# EAGLE board Mk4 Final a Panel score 2x5 (EAGLE 9.0.1), part 26 of 29 (continued)
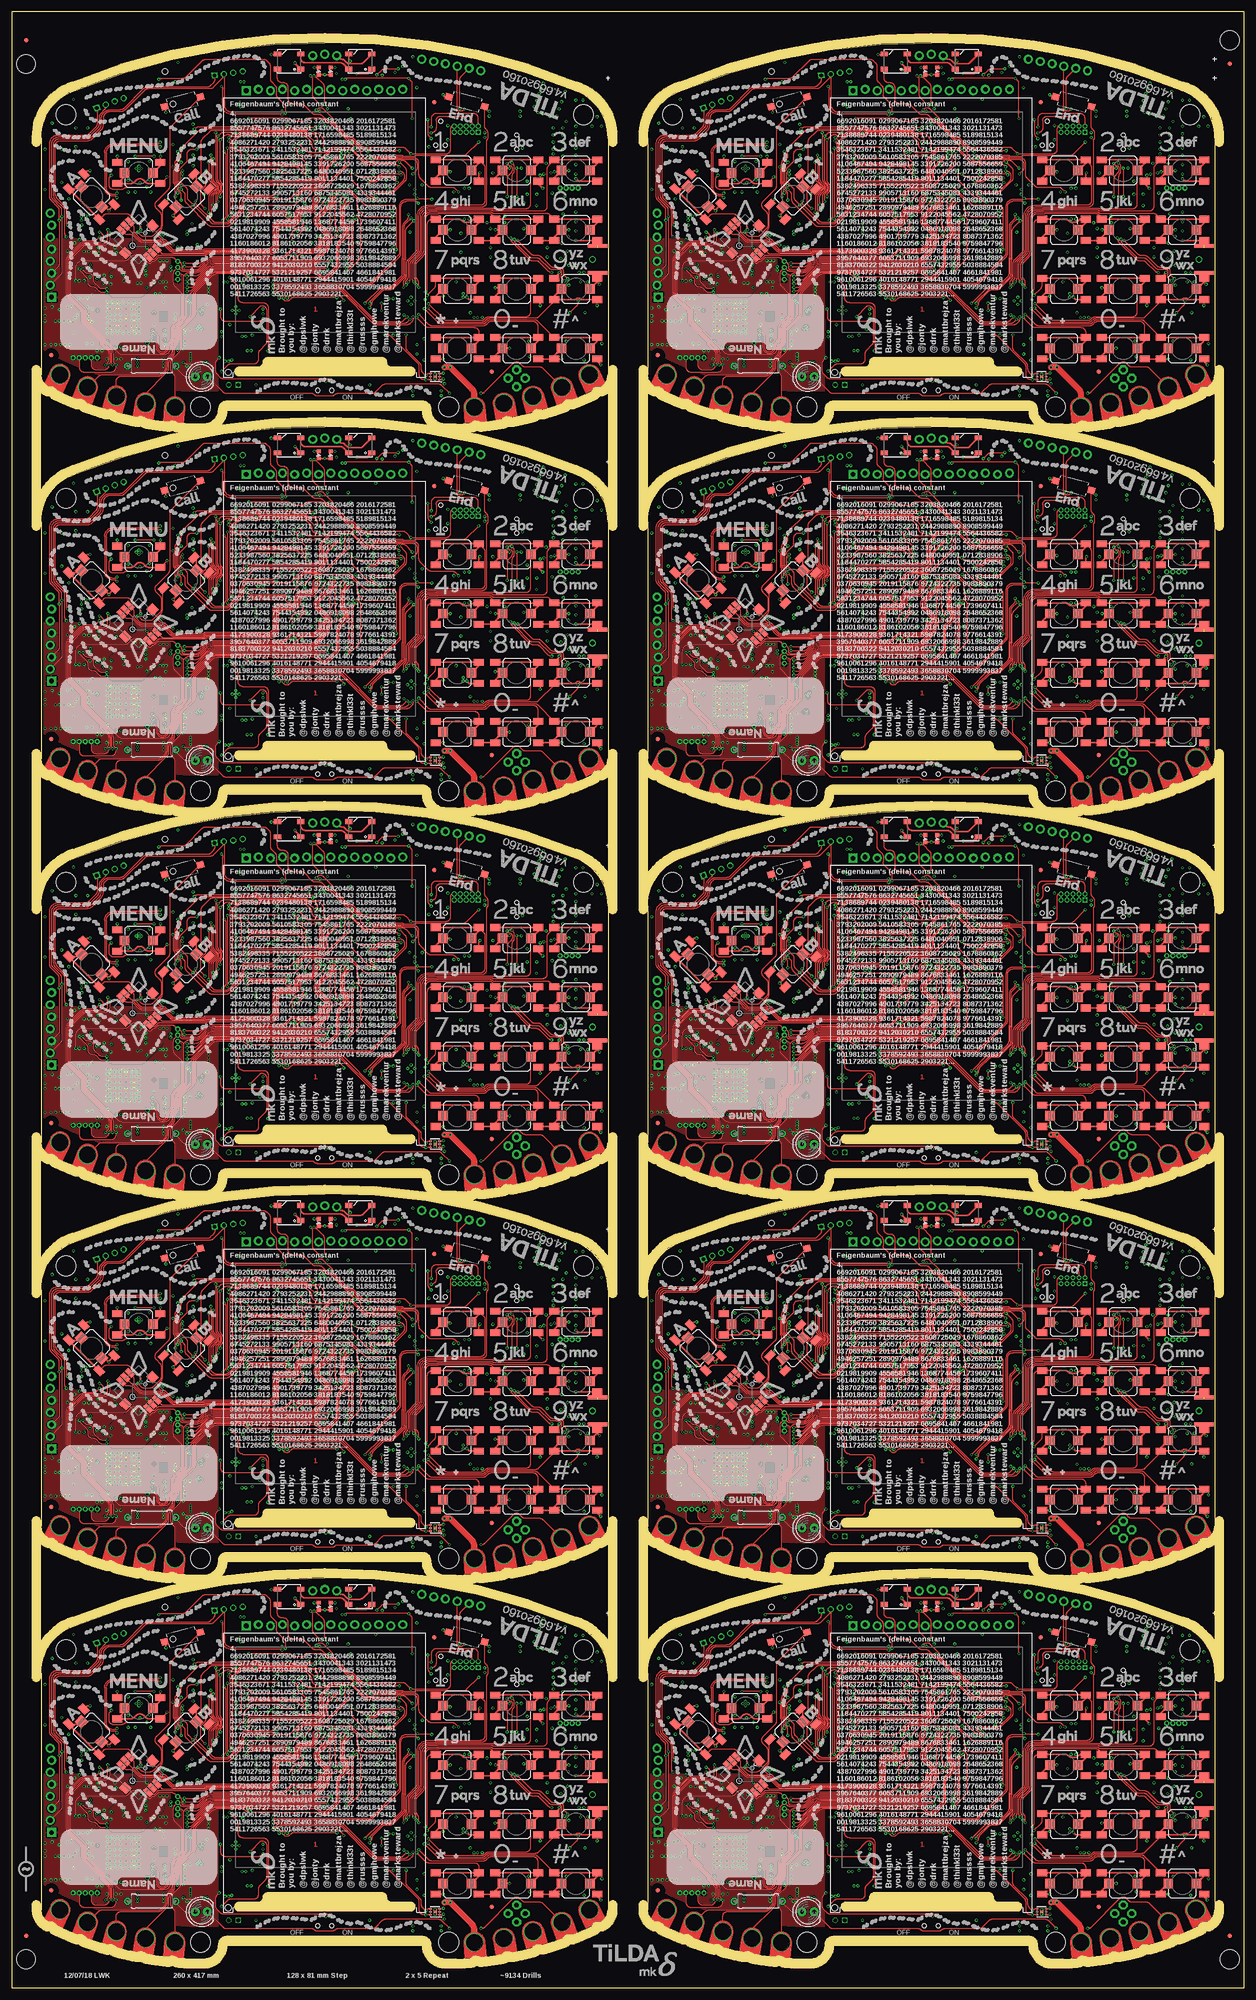
[diagram p0: board, top side]
## Tracks (layer width: path | path; a pad name or v marks a point on that pad's centre or on a via) (continued)
UART0_CON_TX7  (via drill 0.3)
  Top 0.15: v187.8,296.8 arc-45 187.94,297.14 189.23,298.43 arc-45 190.12,298.8 192.56,298.8 arc45 194.33,299.53 198.11,303.31 arc45 198.4,304.01 v198.4,306.5 | v222.5,315.5 222.5,321.67 arc-45 222.79,322.38 JP72.5
  Bottom 0.15: v198.4,306.5 202.01,310.11 arc-45 202.71,310.4 211.04,310.4 arc45 211.74,310.69 215.86,314.81 arc-45 216.56,315.1 221.99,315.1 arc45 222.35,315.25 222.5,315.4 v222.5,315.5 | IC128.34 186.99,296.2 arc45 187.35,296.35 v187.8,296.8
UART0_CON_TX8  (via drill 0.3)
  Top 0.15: v59.8,377.8 arc-45 59.94,378.14 61.23,379.43 arc-45 62.12,379.8 64.56,379.8 arc45 66.33,380.53 70.11,384.31 arc45 70.4,385.01 v70.4,387.5 | v94.5,396.5 94.5,402.67 arc-45 94.79,403.38 JP81.5
  Bottom 0.15: v70.4,387.5 74.01,391.11 arc-45 74.71,391.4 83.04,391.4 arc45 83.74,391.69 87.86,395.81 arc-45 88.56,396.1 93.99,396.1 arc45 94.35,396.25 94.5,396.4 v94.5,396.5 | IC146.34 58.99,377.2 arc45 59.35,377.35 v59.8,377.8
UART0_CON_TX9  (via drill 0.3)
  Top 0.15: v187.8,377.8 arc-45 187.94,378.14 189.23,379.43 arc-45 190.12,379.8 192.56,379.8 arc45 194.33,380.53 198.11,384.31 arc45 198.4,385.01 v198.4,387.5 | v222.5,396.5 222.5,402.67 arc-45 222.79,403.38 JP90.5
  Bottom 0.15: v198.4,387.5 202.01,391.11 arc-45 202.71,391.4 211.04,391.4 arc45 211.74,391.69 215.86,395.81 arc-45 216.56,396.1 221.99,396.1 arc45 222.35,396.25 222.5,396.4 v222.5,396.5 | IC164.34 186.99,377.2 arc45 187.35,377.35 v187.8,377.8
UART1_SIM_RX  (via drill 0.3)
  Top 0.15: v75.1,57.4 76.34,57.4 arc45 77.04,57.69 77.38,58.03 arc-45 78.27,58.4 80.66,58.4 arc-45 80.9,58.3 v81.25,57.95
  Bottom 0.15: R36.1 TP9.TP 91.09,41.91 arc-45 90.8,42.61 90.8,45.34 arc45 90.51,46.05 81.52,55.04 arc-45 81.22,55.75 81.22,56.01 arc45 81.08,56.36 80.92,56.52 arc-45 80.78,56.87 80.78,57.01 arc-45 80.92,57.36 81.07,57.51 arc45 v81.25,57.95 | IC1.118 74.5,56.8 v75.1,57.4
UART1_SIM_RX1  (via drill 0.3)
  Top 0.15: v203.1,57.4 204.34,57.4 arc45 205.04,57.69 205.38,58.03 arc-45 206.27,58.4 208.66,58.4 arc-45 208.9,58.3 v209.25,57.95
  Bottom 0.15: R119.1 TP28.TP 219.09,41.91 arc-45 218.8,42.61 218.8,45.34 arc45 218.51,46.05 209.52,55.04 arc-45 209.22,55.75 209.22,56.01 arc45 209.08,56.36 208.92,56.52 arc-45 208.78,56.87 208.78,57.01 arc-45 208.92,57.36 209.07,57.51 arc45 v209.25,57.95 | IC20.118 202.5,56.8 v203.1,57.4
UART1_SIM_RX2  (via drill 0.3)
  Top 0.15: v75.1,138.4 76.34,138.4 arc45 77.04,138.69 77.38,139.03 arc-45 78.27,139.4 80.66,139.4 arc-45 80.9,139.3 v81.25,138.95
  Bottom 0.15: R197.1 TP47.TP 91.09,122.91 arc-45 90.8,123.61 90.8,126.34 arc45 90.51,127.05 81.52,136.04 arc-45 81.22,136.75 81.22,137.01 arc45 81.08,137.36 80.92,137.52 arc-45 80.78,137.87 80.78,138.01 arc-45 80.92,138.36 81.07,138.51 arc45 v81.25,138.95 | IC38.118 74.5,137.8 v75.1,138.4
UART1_SIM_RX3  (via drill 0.3)
  Top 0.15: v203.1,138.4 204.34,138.4 arc45 205.04,138.69 205.38,139.03 arc-45 206.27,139.4 208.66,139.4 arc-45 208.9,139.3 v209.25,138.95
  Bottom 0.15: R275.1 TP66.TP 219.09,122.91 arc-45 218.8,123.61 218.8,126.34 arc45 218.51,127.05 209.52,136.04 arc-45 209.22,136.75 209.22,137.01 arc45 209.08,137.36 208.92,137.52 arc-45 208.78,137.87 208.78,138.01 arc-45 208.92,138.36 209.07,138.51 arc45 v209.25,138.95 | IC56.118 202.5,137.8 v203.1,138.4
UART1_SIM_RX4  (via drill 0.3)
  Top 0.15: v75.1,219.4 76.34,219.4 arc45 77.04,219.69 77.38,220.03 arc-45 78.27,220.4 80.66,220.4 arc-45 80.9,220.3 v81.25,219.95
  Bottom 0.15: R353.1 TP85.TP 91.09,203.91 arc-45 90.8,204.61 90.8,207.34 arc45 90.51,208.05 81.52,217.04 arc-45 81.22,217.75 81.22,218.01 arc45 81.08,218.36 80.92,218.52 arc-45 80.78,218.87 80.78,219.01 arc-45 80.92,219.36 81.07,219.51 arc45 v81.25,219.95 | IC74.118 74.5,218.8 v75.1,219.4
UART1_SIM_RX5  (via drill 0.3)
  Top 0.15: v203.1,219.4 204.34,219.4 arc45 205.04,219.69 205.38,220.03 arc-45 206.27,220.4 208.66,220.4 arc-45 208.9,220.3 v209.25,219.95
  Bottom 0.15: R431.1 TP104.TP 219.09,203.91 arc-45 218.8,204.61 218.8,207.34 arc45 218.51,208.05 209.52,217.04 arc-45 209.22,217.75 209.22,218.01 arc45 209.08,218.36 208.92,218.52 arc-45 208.78,218.87 208.78,219.01 arc-45 208.92,219.36 209.07,219.51 arc45 v209.25,219.95 | IC92.118 202.5,218.8 v203.1,219.4
UART1_SIM_RX6  (via drill 0.3)
  Top 0.15: v75.1,300.4 76.34,300.4 arc45 77.04,300.69 77.38,301.03 arc-45 78.27,301.4 80.66,301.4 arc-45 80.9,301.3 v81.25,300.95
  Bottom 0.15: R509.1 TP123.TP 91.09,284.91 arc-45 90.8,285.61 90.8,288.34 arc45 90.51,289.05 81.52,298.04 arc-45 81.22,298.75 81.22,299.01 arc45 81.08,299.36 80.92,299.52 arc-45 80.78,299.87 80.78,300.01 arc-45 80.92,300.36 81.07,300.51 arc45 v81.25,300.95 | IC110.118 74.5,299.8 v75.1,300.4
UART1_SIM_RX7  (via drill 0.3)
  Top 0.15: v203.1,300.4 204.34,300.4 arc45 205.04,300.69 205.38,301.03 arc-45 206.27,301.4 208.66,301.4 arc-45 208.9,301.3 v209.25,300.95
  Bottom 0.15: R587.1 TP142.TP 219.09,284.91 arc-45 218.8,285.61 218.8,288.34 arc45 218.51,289.05 209.52,298.04 arc-45 209.22,298.75 209.22,299.01 arc45 209.08,299.36 208.92,299.52 arc-45 208.78,299.87 208.78,300.01 arc-45 208.92,300.36 209.07,300.51 arc45 v209.25,300.95 | IC128.118 202.5,299.8 v203.1,300.4
UART1_SIM_RX8  (via drill 0.3)
  Top 0.15: v75.1,381.4 76.34,381.4 arc45 77.04,381.69 77.38,382.03 arc-45 78.27,382.4 80.66,382.4 arc-45 80.9,382.3 v81.25,381.95
  Bottom 0.15: R665.1 TP161.TP 91.09,365.91 arc-45 90.8,366.61 90.8,369.34 arc45 90.51,370.05 81.52,379.04 arc-45 81.22,379.75 81.22,380.01 arc45 81.08,380.36 80.92,380.52 arc-45 80.78,380.87 80.78,381.01 arc-45 80.92,381.36 81.07,381.51 arc45 v81.25,381.95 | IC146.118 74.5,380.8 v75.1,381.4
UART1_SIM_RX9  (via drill 0.3)
  Top 0.15: v203.1,381.4 204.34,381.4 arc45 205.04,381.69 205.38,382.03 arc-45 206.27,382.4 208.66,382.4 arc-45 208.9,382.3 v209.25,381.95
  Bottom 0.15: R743.1 TP180.TP 219.09,365.91 arc-45 218.8,366.61 218.8,369.34 arc45 218.51,370.05 209.52,379.04 arc-45 209.22,379.75 209.22,380.01 arc45 209.08,380.36 208.92,380.52 arc-45 208.78,380.87 208.78,381.01 arc-45 208.92,381.36 209.07,381.51 arc45 v209.25,381.95 | IC164.118 202.5,380.8 v203.1,381.4
UART1_SIM_TX  (via drill 0.3)
  Top 0.15: v75.1,56.6 75.6,57.1 76.54,57.1 arc45 77.24,57.39 77.66,57.81 arc-45 78.36,58.1 79.79,58.1 arc-45 80.49,57.81 v81.3,57
  Bottom 0.15: R37.1 TP8.TP 91.39,43.61 arc-45 91.1,44.31 91.1,45.47 arc45 90.81,46.17 81.82,55.16 arc-45 81.53,55.87 81.53,56.56 arc45 81.38,56.91 81.3,56.99 v81.3,57 | IC1.119 74.9,56.4 v75.1,56.6
UART1_SIM_TX1  (via drill 0.3)
  Top 0.15: v203.1,56.6 203.6,57.1 204.54,57.1 arc45 205.24,57.39 205.66,57.81 arc-45 206.36,58.1 207.79,58.1 arc-45 208.49,57.81 v209.3,57
  Bottom 0.15: R120.1 TP27.TP 219.39,43.61 arc-45 219.1,44.31 219.1,45.47 arc45 218.81,46.17 209.82,55.16 arc-45 209.53,55.87 209.53,56.56 arc45 209.38,56.91 209.3,56.99 v209.3,57 | IC20.119 202.9,56.4 v203.1,56.6
UART1_SIM_TX2  (via drill 0.3)
  Top 0.15: v75.1,137.6 75.6,138.1 76.54,138.1 arc45 77.24,138.39 77.66,138.81 arc-45 78.36,139.1 79.79,139.1 arc-45 80.49,138.81 v81.3,138
  Bottom 0.15: R198.1 TP46.TP 91.39,124.61 arc-45 91.1,125.31 91.1,126.47 arc45 90.81,127.17 81.82,136.16 arc-45 81.53,136.87 81.53,137.56 arc45 81.38,137.91 v81.3,137.99 v81.3,138 | IC38.119 74.9,137.4 v75.1,137.6
UART1_SIM_TX3  (via drill 0.3)
  Top 0.15: v203.1,137.6 203.6,138.1 204.54,138.1 arc45 205.24,138.39 205.66,138.81 arc-45 206.36,139.1 207.79,139.1 arc-45 208.49,138.81 v209.3,138
  Bottom 0.15: R276.1 TP65.TP 219.39,124.61 arc-45 219.1,125.31 219.1,126.47 arc45 218.81,127.17 209.82,136.16 arc-45 209.53,136.87 209.53,137.56 arc45 209.38,137.91 v209.3,137.99 v209.3,138 | IC56.119 202.9,137.4 v203.1,137.6
UART1_SIM_TX4  (via drill 0.3)
  Top 0.15: v75.1,218.6 75.6,219.1 76.54,219.1 arc45 77.24,219.39 77.66,219.81 arc-45 78.36,220.1 79.79,220.1 arc-45 80.49,219.81 v81.3,219
  Bottom 0.15: R354.1 TP84.TP 91.39,205.61 arc-45 91.1,206.31 91.1,207.47 arc45 90.81,208.18 81.82,217.16 arc-45 81.53,217.87 81.53,218.56 arc45 81.38,218.91 v81.3,218.99 v81.3,219 | IC74.119 74.9,218.4 v75.1,218.6
UART1_SIM_TX5  (via drill 0.3)
  Top 0.15: v203.1,218.6 203.6,219.1 204.54,219.1 arc45 205.24,219.39 205.66,219.81 arc-45 206.36,220.1 207.79,220.1 arc-45 208.49,219.81 v209.3,219
  Bottom 0.15: R432.1 TP103.TP 219.39,205.61 arc-45 219.1,206.31 219.1,207.47 arc45 218.81,208.18 209.82,217.16 arc-45 209.53,217.87 209.53,218.56 arc45 209.38,218.91 v209.3,218.99 v209.3,219 | IC92.119 202.9,218.4 v203.1,218.6
UART1_SIM_TX6  (via drill 0.3)
  Top 0.15: v75.1,299.6 75.6,300.1 76.54,300.1 arc45 77.24,300.39 77.66,300.81 arc-45 78.36,301.1 79.79,301.1 arc-45 80.49,300.81 v81.3,300
  Bottom 0.15: R510.1 TP122.TP 91.39,286.61 arc-45 91.1,287.31 91.1,288.47 arc45 90.81,289.18 81.82,298.17 arc-45 81.53,298.87 81.53,299.56 arc45 81.38,299.91 81.3,299.99 v81.3,300 | IC110.119 74.9,299.4 v75.1,299.6
UART1_SIM_TX7  (via drill 0.3)
  Top 0.15: v203.1,299.6 203.6,300.1 204.54,300.1 arc45 205.24,300.39 205.66,300.81 arc-45 206.36,301.1 207.79,301.1 arc-45 208.49,300.81 v209.3,300
  Bottom 0.15: R588.1 TP141.TP 219.39,286.61 arc-45 219.1,287.31 219.1,288.47 arc45 218.81,289.18 209.82,298.17 arc-45 209.53,298.87 209.53,299.56 arc45 209.38,299.91 209.3,299.99 v209.3,300 | IC128.119 202.9,299.4 v203.1,299.6
UART1_SIM_TX8  (via drill 0.3)
  Top 0.15: v75.1,380.6 75.6,381.1 76.54,381.1 arc45 77.24,381.39 77.66,381.81 arc-45 78.36,382.1 79.79,382.1 arc-45 80.49,381.81 v81.3,381
  Bottom 0.15: R666.1 TP160.TP 91.39,367.61 arc-45 91.1,368.31 91.1,369.47 arc45 90.81,370.18 81.82,379.17 arc-45 81.53,379.87 81.53,380.56 arc45 81.38,380.91 81.3,380.99 v81.3,381 | IC146.119 74.9,380.4 v75.1,380.6
UART1_SIM_TX9  (via drill 0.3)
  Top 0.15: v203.1,380.6 203.6,381.1 204.54,381.1 arc45 205.24,381.39 205.66,381.81 arc-45 206.36,382.1 207.79,382.1 arc-45 208.49,381.81 v209.3,381
  Bottom 0.15: R744.1 TP179.TP 219.39,367.61 arc-45 219.1,368.31 219.1,369.47 arc45 218.81,370.18 209.82,379.17 arc-45 209.53,379.87 209.53,380.56 arc45 209.38,380.91 209.3,380.99 v209.3,381 | IC164.119 202.9,380.4 v203.1,380.6
UART3_CC_RX  (via drill 0.3)
  Top 0.15: v29.75,25.75 30.46,25.04 arc-45 30.75,24.34 30.75,22.25 arc90 31.75,21.25 31.8,21.25 arc90 32.8,22.25 arc-45 33.24,23.31 33.51,23.58 arc45 33.8,24.29 33.8,25.95 arc-45 34.31,27.18 35.66,28.53 arc45 35.95,29.24 35.95,33.14 arc45 35.66,33.84 34.29,35.21 arc-45 34,35.91 34,37.63 arc-45 34.29,38.33 JP5.3 35.04,39.04 35.48,38.59 arc45 36.19,38.3 38.94,38.3 arc45 39.82,38.67 40.68,39.52 arc-45 42.8,40.4 63.01,40.4 arc45 63.9,40.77 66.11,42.98 arc45 66.4,43.68 66.4,44.19 arc-45 66.55,44.55 66.75,44.75 arc45 66.9,45.11 66.9,45.98 arc45 66.53,46.87 65.1,48.3 arc-90 65.1,49.71 67.45,52.06 arc45 67.6,52.42 67.6,52.43 arc-45 67.75,52.78 arc45 67.83,52.97 67.83,54.12 arc-45 67.97,54.47 v68,54.5
  Bottom 0.15: IC15.55 28.35,29.25 arc-90 29.35,28.25 29.35,26.35 arc45 29.41,26.21 29.47,26.15 arc-45 29.52,26.01 29.52,25.98 v29.75,25.75 R68.1 | IC1.116 69,57.6 arc90 68,56.6 v68,54.5
UART3_CC_RX1  (via drill 0.3)
  Top 0.15: v157.75,25.75 158.46,25.04 arc-45 158.75,24.34 158.75,22.25 arc90 159.75,21.25 159.8,21.25 arc90 160.8,22.25 arc-45 161.24,23.31 161.51,23.58 arc45 161.8,24.29 161.8,25.95 arc-45 162.31,27.18 163.66,28.53 arc45 163.95,29.24 163.95,33.14 arc45 163.66,33.84 162.29,35.21 arc-45 162,35.91 162,37.63 arc-45 162.29,38.33 JP16.3 163.04,39.04 163.48,38.59 arc45 164.19,38.3 166.94,38.3 arc45 167.82,38.67 168.68,39.52 arc-45 170.8,40.4 191.01,40.4 arc45 191.9,40.77 194.11,42.98 arc45 194.4,43.68 194.4,44.19 arc-45 194.55,44.55 194.75,44.75 arc45 194.9,45.11 194.9,45.98 arc45 194.53,46.87 193.1,48.3 arc-90 193.1,49.71 195.45,52.06 arc45 195.6,52.42 195.6,52.43 arc-45 195.75,52.78 arc45 195.82,52.97 195.82,54.12 arc-45 195.97,54.47 v196,54.5
  Bottom 0.15: IC29.55 156.35,29.25 arc-90 157.35,28.25 157.35,26.35 arc45 157.41,26.21 157.47,26.15 arc-45 157.53,26.01 157.53,25.98 v157.75,25.75 R146.1 | IC20.116 197,57.6 arc90 196,56.6 v196,54.5
UART3_CC_RX2  (via drill 0.3)
  Top 0.15: v29.75,106.75 30.46,106.04 arc-45 30.75,105.34 30.75,103.25 arc90 31.75,102.25 31.8,102.25 arc90 32.8,103.25 arc-45 33.24,104.31 33.51,104.58 arc45 33.8,105.29 33.8,106.95 arc-45 34.31,108.19 35.66,109.53 arc45 35.95,110.24 35.95,114.14 arc45 35.66,114.84 34.29,116.21 arc-45 34,116.91 34,118.63 arc-45 34.29,119.33 JP25.3 35.04,120.04 35.48,119.59 arc45 36.19,119.3 38.94,119.3 arc45 39.82,119.67 40.68,120.52 arc-45 42.8,121.4 63.01,121.4 arc45 63.9,121.77 66.11,123.98 arc45 66.4,124.68 66.4,125.19 arc-45 66.55,125.55 66.75,125.75 arc45 66.9,126.11 66.9,126.98 arc45 66.53,127.87 65.1,129.3 arc-90 65.1,130.71 67.45,133.06 arc45 67.6,133.42 67.6,133.43 arc-45 67.75,133.78 arc45 67.83,133.97 67.83,135.12 arc-45 67.97,135.47 v68,135.5
  Bottom 0.15: IC47.55 28.35,110.25 arc-90 29.35,109.25 29.35,107.35 arc45 29.41,107.21 29.47,107.15 arc-45 29.52,107.01 29.52,106.97 v29.75,106.75 R224.1 | IC38.116 69,138.6 arc90 68,137.6 v68,135.5
UART3_CC_RX3  (via drill 0.3)
  Top 0.15: v157.75,106.75 158.46,106.04 arc-45 158.75,105.34 158.75,103.25 arc90 159.75,102.25 159.8,102.25 arc90 160.8,103.25 arc-45 161.24,104.31 161.51,104.58 arc45 161.8,105.29 161.8,106.95 arc-45 162.31,108.19 163.66,109.53 arc45 163.95,110.24 163.95,114.14 arc45 163.66,114.84 162.29,116.21 arc-45 162,116.91 162,118.63 arc-45 162.29,119.33 JP34.3 163.04,120.04 163.48,119.59 arc45 164.19,119.3 166.94,119.3 arc45 167.82,119.67 168.68,120.52 arc-45 170.8,121.4 191.01,121.4 arc45 191.9,121.77 194.11,123.98 arc45 194.4,124.68 194.4,125.19 arc-45 194.55,125.55 194.75,125.75 arc45 194.9,126.11 194.9,126.98 arc45 194.53,127.87 193.1,129.3 arc-90 193.1,130.71 195.45,133.06 arc45 195.6,133.42 195.6,133.43 arc-45 195.75,133.78 arc45 195.82,133.97 195.82,135.12 arc-45 195.97,135.47 v196,135.5
  Bottom 0.15: IC65.55 156.35,110.25 arc-90 157.35,109.25 157.35,107.35 arc45 157.41,107.21 157.47,107.15 arc-45 157.53,107.01 157.53,106.97 v157.75,106.75 R302.1 | IC56.116 197,138.6 arc90 196,137.6 v196,135.5
UART3_CC_RX4  (via drill 0.3)
  Top 0.15: v29.75,187.75 30.46,187.04 arc-45 30.75,186.34 30.75,184.25 arc90 31.75,183.25 31.8,183.25 arc90 32.8,184.25 arc-45 33.24,185.31 33.51,185.58 arc45 33.8,186.29 33.8,187.95 arc-45 34.31,189.19 35.66,190.53 arc45 35.95,191.24 35.95,195.14 arc45 35.66,195.84 34.29,197.21 arc-45 34,197.91 34,199.63 arc-45 34.29,200.33 JP43.3 35.04,201.04 35.48,200.59 arc45 36.19,200.3 38.94,200.3 arc45 39.82,200.67 40.68,201.52 arc-45 42.8,202.4 63.01,202.4 arc45 63.9,202.77 66.11,204.98 arc45 66.4,205.68 66.4,206.19 arc-45 66.55,206.55 66.75,206.75 arc45 66.9,207.11 66.9,207.98 arc45 66.53,208.87 65.1,210.3 arc-90 65.1,211.71 67.45,214.06 arc45 67.6,214.42 67.6,214.43 arc-45 67.75,214.78 arc45 67.83,214.97 67.83,216.12 arc-45 67.97,216.47 v68,216.5
  Bottom 0.15: IC83.55 28.35,191.25 arc-90 29.35,190.25 29.35,188.35 arc45 29.41,188.21 29.47,188.15 arc-45 29.52,188.01 29.52,187.97 v29.75,187.75 R380.1 | IC74.116 69,219.6 arc90 68,218.6 v68,216.5
UART3_CC_RX5  (via drill 0.3)
  Top 0.15: v157.75,187.75 158.46,187.04 arc-45 158.75,186.34 158.75,184.25 arc90 159.75,183.25 159.8,183.25 arc90 160.8,184.25 arc-45 161.24,185.31 161.51,185.58 arc45 161.8,186.29 161.8,187.95 arc-45 162.31,189.19 163.66,190.53 arc45 163.95,191.24 163.95,195.14 arc45 163.66,195.84 162.29,197.21 arc-45 162,197.91 162,199.63 arc-45 162.29,200.33 JP52.3 163.04,201.04 163.48,200.59 arc45 164.19,200.3 166.94,200.3 arc45 167.82,200.67 168.68,201.52 arc-45 170.8,202.4 191.01,202.4 arc45 191.9,202.77 194.11,204.98 arc45 194.4,205.68 194.4,206.19 arc-45 194.55,206.55 194.75,206.75 arc45 194.9,207.11 194.9,207.98 arc45 194.53,208.87 193.1,210.3 arc-90 193.1,211.71 195.45,214.06 arc45 195.6,214.42 195.6,214.43 arc-45 195.75,214.78 arc45 195.82,214.97 195.82,216.12 arc-45 195.97,216.47 v196,216.5
  Bottom 0.15: IC101.55 156.35,191.25 arc-90 157.35,190.25 157.35,188.35 arc45 157.41,188.21 157.47,188.15 arc-45 157.53,188.01 157.53,187.97 v157.75,187.75 R458.1 | IC92.116 197,219.6 arc90 196,218.6 v196,216.5
UART3_CC_RX6  (via drill 0.3)
  Top 0.15: v29.75,268.75 30.46,268.04 arc-45 30.75,267.34 30.75,265.25 arc90 31.75,264.25 31.8,264.25 arc90 32.8,265.25 arc-45 33.24,266.31 33.51,266.58 arc45 33.8,267.29 33.8,268.95 arc-45 34.31,270.19 35.66,271.53 arc45 35.95,272.24 35.95,276.14 arc45 35.66,276.84 34.29,278.21 arc-45 34,278.91 34,280.63 arc-45 34.29,281.33 JP61.3 35.04,282.04 35.48,281.59 arc45 36.19,281.3 38.94,281.3 arc45 39.82,281.67 40.68,282.52 arc-45 42.8,283.4 63.01,283.4 arc45 63.9,283.77 66.11,285.98 arc45 66.4,286.68 66.4,287.19 arc-45 66.55,287.55 66.75,287.75 arc45 66.9,288.11 66.9,288.98 arc45 66.53,289.87 65.1,291.3 arc-90 65.1,292.71 67.45,295.06 arc45 67.6,295.42 67.6,295.43 arc-45 67.75,295.78 arc45 67.83,295.97 67.83,297.12 arc-45 67.97,297.47 v68,297.5
  Bottom 0.15: IC119.55 28.35,272.25 arc-90 29.35,271.25 29.35,269.35 arc45 29.41,269.21 29.47,269.15 arc-45 29.52,269.01 29.52,268.98 v29.75,268.75 R536.1 | IC110.116 69,300.6 arc90 68,299.6 v68,297.5
UART3_CC_RX7  (via drill 0.3)
  Top 0.15: v157.75,268.75 158.46,268.04 arc-45 158.75,267.34 158.75,265.25 arc90 159.75,264.25 159.8,264.25 arc90 160.8,265.25 arc-45 161.24,266.31 161.51,266.58 arc45 161.8,267.29 161.8,268.95 arc-45 162.31,270.19 163.66,271.53 arc45 163.95,272.24 163.95,276.14 arc45 163.66,276.84 162.29,278.21 arc-45 162,278.91 162,280.63 arc-45 162.29,281.33 JP70.3 163.04,282.04 163.48,281.59 arc45 164.19,281.3 166.94,281.3 arc45 167.82,281.67 168.68,282.52 arc-45 170.8,283.4 191.01,283.4 arc45 191.9,283.77 194.11,285.98 arc45 194.4,286.68 194.4,287.19 arc-45 194.55,287.55 194.75,287.75 arc45 194.9,288.11 194.9,288.98 arc45 194.53,289.87 193.1,291.3 arc-90 193.1,292.71 195.45,295.06 arc45 195.6,295.42 195.6,295.43 arc-45 195.75,295.78 arc45 195.82,295.97 195.82,297.12 arc-45 195.97,297.47 v196,297.5
  Bottom 0.15: IC137.55 156.35,272.25 arc-90 157.35,271.25 157.35,269.35 arc45 157.41,269.21 157.47,269.15 arc-45 157.53,269.01 157.53,268.98 v157.75,268.75 R614.1 | IC128.116 197,300.6 arc90 196,299.6 v196,297.5
UART3_CC_RX8  (via drill 0.3)
  Top 0.15: v29.75,349.75 30.46,349.04 arc-45 30.75,348.34 30.75,346.25 arc90 31.75,345.25 31.8,345.25 arc90 32.8,346.25 arc-45 33.24,347.31 33.51,347.58 arc45 33.8,348.29 33.8,349.95 arc-45 34.31,351.19 35.66,352.53 arc45 35.95,353.24 35.95,357.14 arc45 35.66,357.84 34.29,359.21 arc-45 34,359.91 34,361.63 arc-45 34.29,362.33 JP79.3 35.04,363.04 35.48,362.59 arc45 36.19,362.3 38.94,362.3 arc45 39.82,362.67 40.68,363.52 arc-45 42.8,364.4 63.01,364.4 arc45 63.9,364.77 66.11,366.98 arc45 66.4,367.68 66.4,368.19 arc-45 66.55,368.55 66.75,368.75 arc45 66.9,369.11 66.9,369.98 arc45 66.53,370.87 65.1,372.3 arc-90 65.1,373.71 67.45,376.06 arc45 67.6,376.42 67.6,376.43 arc-45 67.75,376.78 arc45 67.83,376.97 67.83,378.12 arc-45 67.97,378.47 v68,378.5
  Bottom 0.15: IC155.55 28.35,353.25 arc-90 29.35,352.25 29.35,350.35 arc45 29.41,350.21 29.47,350.15 arc-45 29.52,350.01 29.52,349.98 v29.75,349.75 R692.1 | IC146.116 69,381.6 arc90 68,380.6 v68,378.5
UART3_CC_RX9  (via drill 0.3)
  Top 0.15: v157.75,349.75 158.46,349.04 arc-45 158.75,348.34 158.75,346.25 arc90 159.75,345.25 159.8,345.25 arc90 160.8,346.25 arc-45 161.24,347.31 161.51,347.58 arc45 161.8,348.29 161.8,349.95 arc-45 162.31,351.19 163.66,352.53 arc45 163.95,353.24 163.95,357.14 arc45 163.66,357.84 162.29,359.21 arc-45 162,359.91 162,361.63 arc-45 162.29,362.33 JP88.3 163.04,363.04 163.48,362.59 arc45 164.19,362.3 166.94,362.3 arc45 167.82,362.67 168.68,363.52 arc-45 170.8,364.4 191.01,364.4 arc45 191.9,364.77 194.11,366.98 arc45 194.4,367.68 194.4,368.19 arc-45 194.55,368.55 194.75,368.75 arc45 194.9,369.11 194.9,369.98 arc45 194.53,370.87 193.1,372.3 arc-90 193.1,373.71 195.45,376.06 arc45 195.6,376.42 195.6,376.43 arc-45 195.75,376.78 arc45 195.82,376.97 195.82,378.12 arc-45 195.97,378.47 v196,378.5
  Bottom 0.15: IC173.55 156.35,353.25 arc-90 157.35,352.25 157.35,350.35 arc45 157.41,350.21 157.47,350.15 arc-45 157.53,350.01 157.53,349.98 v157.75,349.75 R770.1 | IC164.116 197,381.6 arc90 196,380.6 v196,378.5
UART3_CC_TX  (via drill 0.3)
  Top 0.15: v29.75,23.75 30.45,23.05 30.45,22.2 arc90 31.7,20.95 31.85,20.95 arc90 33.1,22.2 arc-45 33.49,23.14 33.73,23.38 arc45 34.1,24.27 34.1,25.62 arc-45 34.76,27.21 35.88,28.33 arc45 36.25,29.22 36.25,37.25 | 36.25,37.25 36.71,37.71 arc-45 37.41,38 38.96,38 arc45 40.02,38.44 40.88,39.3 arc-45 42.82,40.1 63.03,40.1 arc45 64.09,40.54 66.41,42.85 arc45 66.7,43.56 66.7,44.02 arc-45 66.85,44.37 67.05,44.58 arc45 67.2,44.93 67.2,51.09 arc-45 67.41,51.59 67.75,51.94 arc45 67.9,52.29 67.9,52.3 arc-45 68.05,52.66 arc45 68.12,52.84 68.12,53.67 arc-45 68.27,54.02 v68.75,54.5 | JP5.2 35.32,37.77 arc-45 36.02,37.48 36.25,37.25
  Bottom 0.15: IC15.57 arc-90 28.65,27.55 28.65,26.06 arc45 28.71,25.92 28.77,25.86 arc-45 28.83,25.72 28.83,25.09 arc45 29.12,24.38 v29.75,23.75 R69.1 | v68.75,54.5 68.75,56.27 arc-90 69.75,57.27 71.62,57.27 71.69,57.2 IC1.117
UART3_CC_TX1  (via drill 0.3)
  Top 0.15: v157.75,23.75 158.45,23.05 158.45,22.2 arc90 159.7,20.95 159.85,20.95 arc90 161.1,22.2 arc-45 161.49,23.14 161.73,23.38 arc45 162.1,24.27 162.1,25.62 arc-45 162.76,27.21 163.88,28.33 arc45 164.25,29.22 164.25,37.25 | 164.25,37.25 164.71,37.71 arc-45 165.41,38 166.96,38 arc45 168.02,38.44 168.88,39.3 arc-45 170.82,40.1 191.03,40.1 arc45 192.09,40.54 194.41,42.85 arc45 194.7,43.56 194.7,44.02 arc-45 194.85,44.37 195.05,44.58 arc45 195.2,44.93 195.2,51.09 arc-45 195.41,51.59 195.75,51.94 arc45 195.9,52.29 195.9,52.3 arc-45 196.05,52.66 arc45 196.12,52.84 196.12,53.67 arc-45 196.27,54.02 v196.75,54.5 | JP16.2 163.32,37.77 arc-45 164.02,37.48 164.25,37.25
  Bottom 0.15: IC29.57 arc-90 156.65,27.55 156.65,26.06 arc45 156.71,25.92 156.77,25.86 arc-45 156.82,25.72 156.82,25.09 arc45 157.12,24.38 v157.75,23.75 R147.1 | v196.75,54.5 196.75,56.27 arc-90 197.75,57.27 199.62,57.27 199.69,57.2 IC20.117
UART3_CC_TX2  (via drill 0.3)
  Top 0.15: v29.75,104.75 30.45,104.05 30.45,103.2 arc90 31.7,101.95 31.85,101.95 arc90 33.1,103.2 arc-45 33.49,104.14 33.73,104.38 arc45 34.1,105.27 34.1,106.62 arc-45 34.76,108.21 35.88,109.33 arc45 36.25,110.22 36.25,118.25 | 36.25,118.25 36.71,118.71 arc-45 37.41,119 38.96,119 arc45 40.02,119.44 40.88,120.3 arc-45 42.82,121.1 63.03,121.1 arc45 64.09,121.54 66.41,123.85 arc45 66.7,124.56 66.7,125.02 arc-45 66.85,125.37 67.05,125.58 arc45 67.2,125.93 67.2,132.09 arc-45 67.41,132.59 67.75,132.94 arc45 67.9,133.29 67.9,133.3 arc-45 68.05,133.66 arc45 68.12,133.84 68.12,134.67 arc-45 68.27,135.02 v68.75,135.5 | JP25.2 35.32,118.77 arc-45 36.02,118.48 36.25,118.25
  Bottom 0.15: IC47.57 arc-90 28.65,108.55 28.65,107.06 arc45 28.71,106.92 28.77,106.86 arc-45 28.83,106.72 28.83,106.09 arc45 29.12,105.38 v29.75,104.75 R225.1 | v68.75,135.5 68.75,137.28 arc-90 69.75,138.28 71.62,138.28 71.69,138.2 IC38.117
UART3_CC_TX3  (via drill 0.3)
  Top 0.15: v157.75,104.75 158.45,104.05 158.45,103.2 arc90 159.7,101.95 159.85,101.95 arc90 161.1,103.2 arc-45 161.49,104.14 161.73,104.38 arc45 162.1,105.27 162.1,106.62 arc-45 162.76,108.21 163.88,109.33 arc45 164.25,110.22 164.25,118.25 | 164.25,118.25 164.71,118.71 arc-45 165.41,119 166.96,119 arc45 168.02,119.44 168.88,120.3 arc-45 170.82,121.1 191.03,121.1 arc45 192.09,121.54 194.41,123.85 arc45 194.7,124.56 194.7,125.02 arc-45 194.85,125.37 195.05,125.58 arc45 195.2,125.93 195.2,132.09 arc-45 195.41,132.59 195.75,132.94 arc45 195.9,133.29 195.9,133.3 arc-45 196.05,133.66 arc45 196.12,133.84 196.12,134.67 arc-45 196.27,135.02 v196.75,135.5 | JP34.2 163.32,118.77 arc-45 164.02,118.48 164.25,118.25
  Bottom 0.15: IC65.57 arc-90 156.65,108.55 156.65,107.06 arc45 156.71,106.92 156.77,106.86 arc-45 156.82,106.72 156.82,106.09 arc45 157.12,105.38 v157.75,104.75 R303.1 | v196.75,135.5 196.75,137.28 arc-90 197.75,138.28 199.62,138.28 199.69,138.2 IC56.117
UART3_CC_TX4  (via drill 0.3)
  Top 0.15: v29.75,185.75 30.45,185.05 30.45,184.2 arc90 31.7,182.95 31.85,182.95 arc90 33.1,184.2 arc-45 33.49,185.14 33.73,185.38 arc45 34.1,186.27 34.1,187.62 arc-45 34.76,189.21 35.88,190.33 arc45 36.25,191.22 36.25,199.25 | 36.25,199.25 36.71,199.71 arc-45 37.41,200 38.96,200 arc45 40.02,200.44 40.88,201.29 arc-45 42.82,202.1 63.03,202.1 arc45 64.09,202.54 66.41,204.85 arc45 66.7,205.56 66.7,206.02 arc-45 66.85,206.37 67.05,206.58 arc45 67.2,206.93 67.2,213.09 arc-45 67.41,213.59 67.75,213.94 arc45 67.9,214.29 67.9,214.3 arc-45 68.05,214.66 arc45 68.12,214.84 68.12,215.67 arc-45 68.27,216.02 v68.75,216.5 | JP43.2 35.32,199.77 arc-45 36.02,199.48 36.25,199.25
  Bottom 0.15: IC83.57 arc-90 28.65,189.55 28.65,188.06 arc45 28.71,187.92 28.77,187.86 arc-45 28.83,187.72 28.83,187.09 arc45 29.12,186.38 v29.75,185.75 R381.1 | v68.75,216.5 68.75,218.28 arc-90 69.75,219.28 71.62,219.28 71.69,219.2 IC74.117
UART3_CC_TX5  (via drill 0.3)